# KiCad board CXD-ROUTER-V1.0_PUBLISH.kicad_pcb (continued)
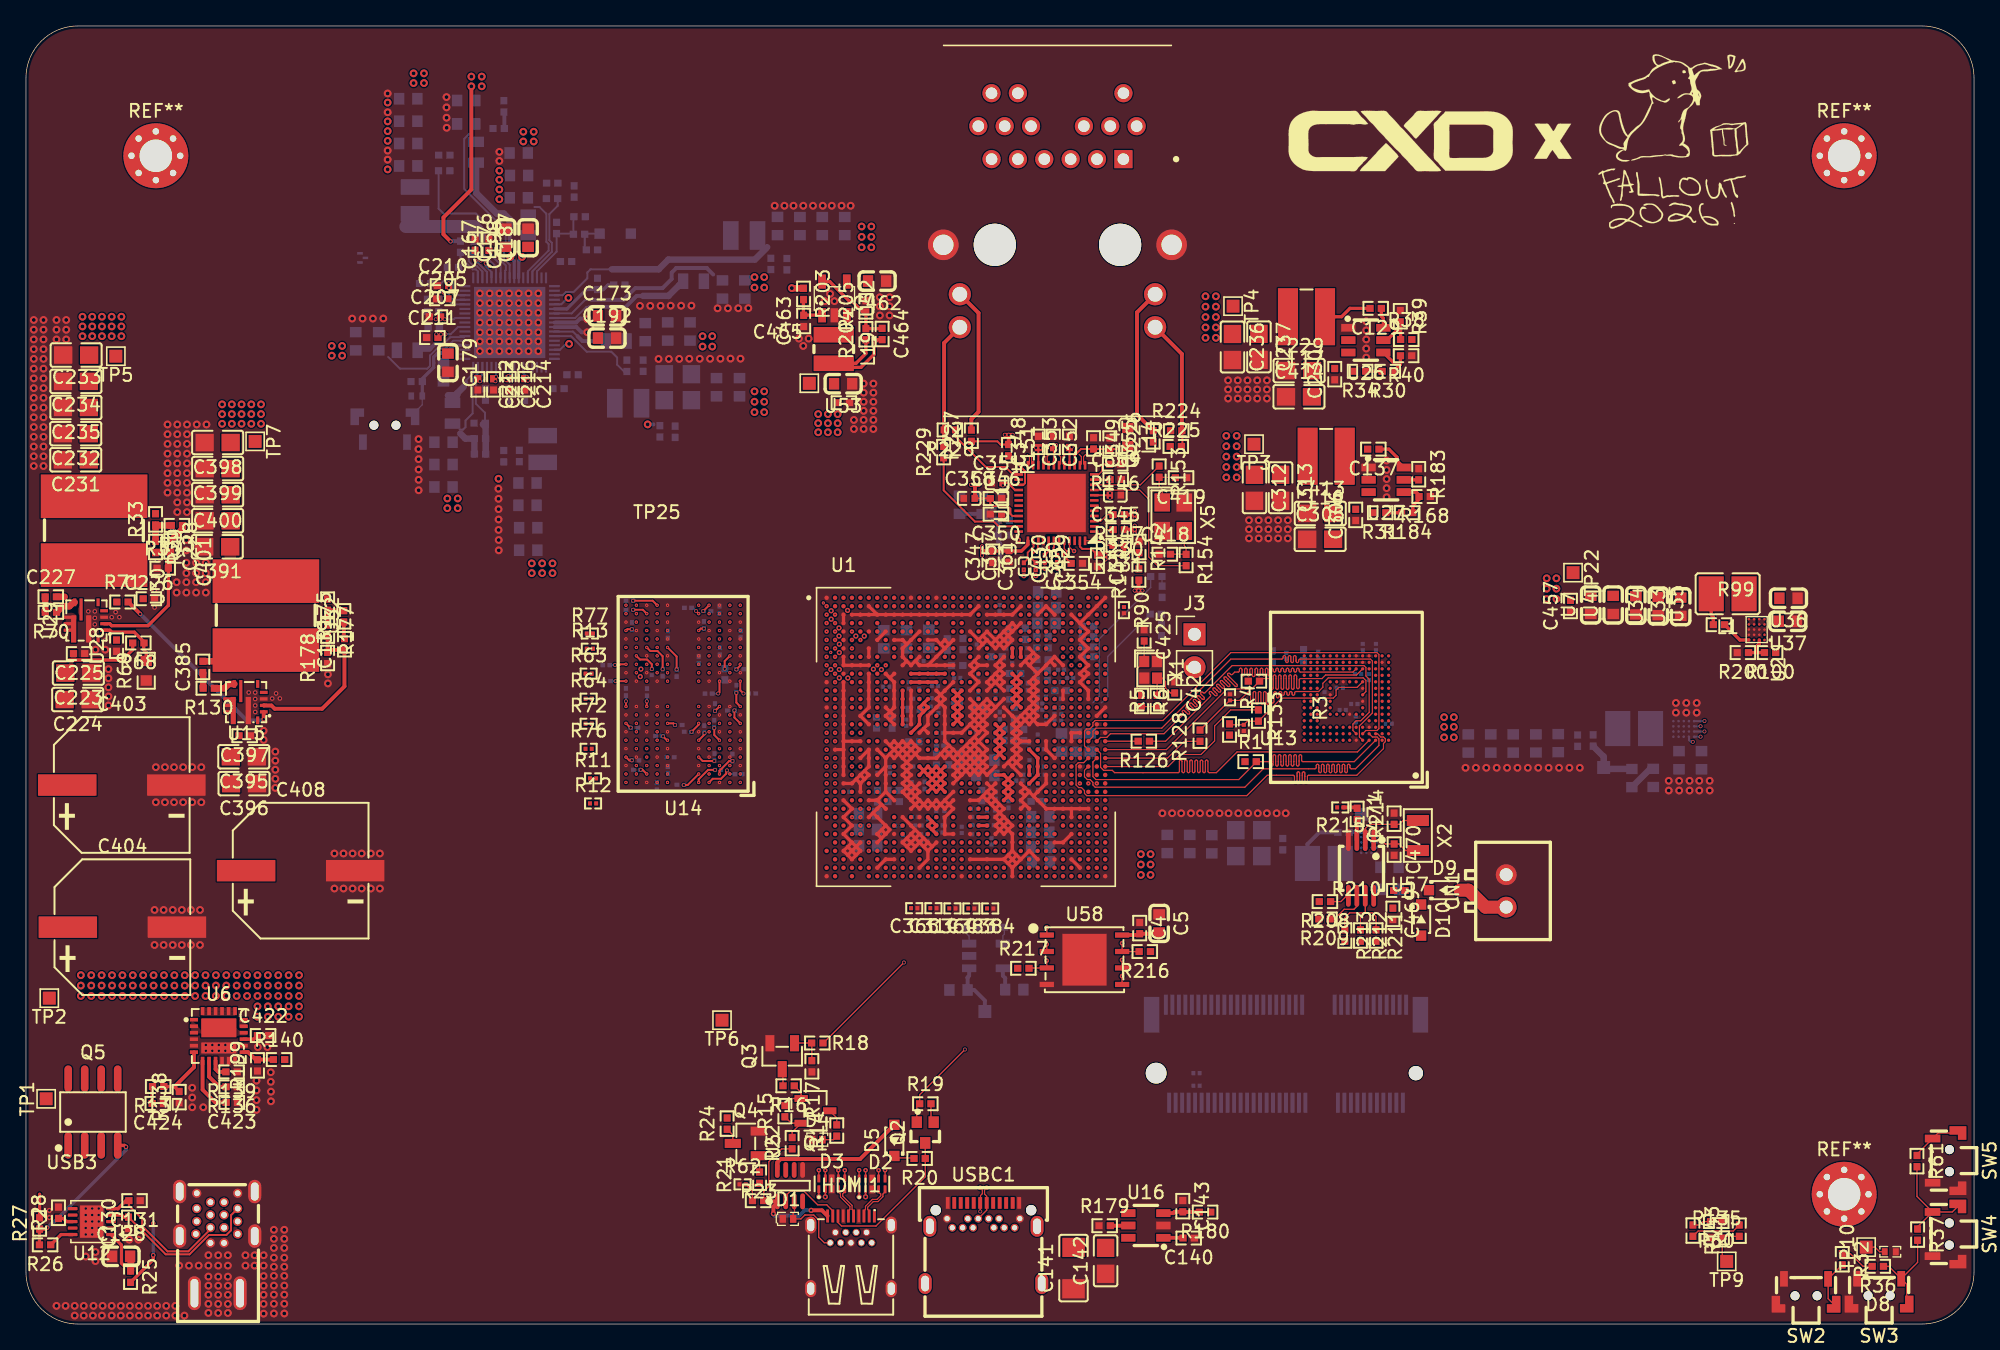
[diagram p0: board, top side]
## Library data of the parts (continued)
CN1 = -: Datasheet: https://www.lcsc.com/datasheet/lcsc_datasheet_2304140030_JST-B2B-XH-2-LF-SN_C158014.pdf; Description: -25℃~+85℃ 1 1x2P 2 2.5mm 250V 2P 3A 6.75mm 7.4mm 7mm Brass Glass-Fiber Reinforced PA66 Through Hole Tin UL94V-0 White XH 插件,P=2.5mm Wire To Board Connector ROHS; LCSC: C158014; Manufacturer: JST; Manufacturer Part: B2B-XH-2(LF)(SN)
CN2 = -: Datasheet: https://wmsc.lcsc.com/wmsc/upload/file/pdf/v2/lcsc/2205131445_TE-Connectivity-2199230-4_C2977809.pdf; Description: -40℃~+80℃ 0.5mm 67P Copper alloy Gold Surface Mount, Right Angle SMD,P=0.5mm,卧贴 Edgeboard Connectors ROHS; LCSC: C2977809; Manufacturer: TE Connectivity; Manufacturer Part: 2199230-4
D1 D4 = -: Datasheet: https://www.lcsc.com/datasheet/lcsc_datasheet_2004131606_WILLSEMI-Will-Semicon-ESD5341N-2-TR_C239773.pdf; Description: -40℃~+85℃ 1 15V 1nA 1pF 4A@8/20us 5V 60W@8/20us 8V IEC 61000-4-2、IEC 61000-4-5、IEC 61000-4-4 TVS Unidirectional DFN1006-2L ESD and Surge Protection (TVS/ESD) ROHS; LCSC: C239773; Manufacturer: WILLSEMI(Will Semicon); Manufacturer Part: ESD5341N-2/TR
D2 D3 = -: Datasheet: https://www.lcsc.com/datasheet/lcsc_datasheet_1810202308_WILLSEMI-Will-Semicon-ESD5304D-10-TR_C153722.pdf; Description: -40℃~+85℃ 0.4pF 12V 1nA 48W@8/20us 4A@8/20us 5V 8V Four channels IEC 61000-4-2、IEC 61000-4-5、IEC 61000-4-4 TVS Unidirectional DFN2510-10L ESD and Surge Protection (TVS/ESD) ROHS; LCSC: C153722; Manufacturer: WILLSEMI(Will Semicon); Manufacturer Part: ESD5304D-10/TR
D5 D6 = -: Datasheet: https://wmsc.lcsc.com/wmsc/upload/file/pdf/v2/lcsc/2308071513_JSMSEMI-B5819WS_C916992.pdf; Description: 1A 1mA@40V 40V 600mV@1A Independent SOD-323 Schottky Diodes ROHS; LCSC: C916992; Manufacturer: JSMSEMI
D7 D8 = -: Datasheet: https://www.lcsc.com/datasheet/lcsc_datasheet_1912111437_WILLSEMI-Will-Semicon-ESD5451N-2-TR_C239604.pdf; Description: 1 10V 17.5pF 1nA 5.1V 5V 8A@8/20us Bidirectional IEC 61000-4-2、IEC 61000-4-5、IEC 61000-4-4 TVS DFN1006-2L ESD and Surge Protection (TVS/ESD) ROHS; LCSC: C239604; Manufacturer: WILLSEMI(Will Semicon); Manufacturer Part: ESD5451N-2/TR
D9 D10 = -: Datasheet: https://wmsc.lcsc.com/wmsc/upload/file/pdf/v2/lcsc/2308071513_JSMSEMI-B5819WS_C916992.pdf; Description: 1A 1mA@40V 40V 600mV@1A Independent SOD-323 Schottky Diodes ROHS; LCSC: C916992; Manufacturer: JSMSEMI; Manufacturer Part: B5819WS
HDMI1 = -: Datasheet: https://wmsc.lcsc.com/wmsc/upload/file/pdf/v2/lcsc/2306121024_HDGC-HDMI-GD-121PWB_C7425334.pdf; Description: -20℃~+85℃ 19P 300mA Female HDMI-D Right Angle Plugin HDMI Connectors ROHS; LCSC: C7425334; Manufacturer: HDGC
J2 = -: Description: 1 Port RJ45 Magjack Connector Through Hole 10G Base-T, AutoMDIX
J3 = -: Description: Generic connector, single row, 01x02, script generated; ki_fp_filters: Connector*:*_1x??_*
L1 L2 L18 = -: Datasheet: https://wmsc.lcsc.com/wmsc/upload/file/pdf/v2/lcsc/2306021632_cjiang--Changjiang-Microelectronics-Tech-FTC322512SR22MBCA_C5832378.pdf; Description: 11.5A 220nH 6.6mΩ 9.2A ±20% 1210 Power Inductors ROHS; LCSC: C5832378; Manufacturer: cjiang (Changjiang Microelectronics Tech); Manufacturer Part: FTC322512SR22MBCA
L3 L5-L7 = -: Datasheet: https://www.lcsc.com/datasheet/lcsc_datasheet_2504151735_COILANK-INTERNATIONAL-APS252012MR22F_C47327420.pdf; Description: 10A 14mΩ 220nH 8.6A ±20% 1008 Power Inductors ROHS; LCSC: C47327420; Manufacturer: COILANK INTERNATIONAL; Manufacturer Part: APS252012MR22F
L4 L8-L12 = -: Datasheet: https://wmsc.lcsc.com/wmsc/upload/file/pdf/v2/lcsc/2309011028_Ceaiya-MTC201208-R47MT_C7588889.pdf; Description: 3.8A 37mΩ 4.8A 470nH Molded Inductor ±20% 0805 Power Inductors ROHS; LCSC: C7588889; Manufacturer: Ceaiya; Manufacturer Part: MTC201208-R47MT
L14 = -: Datasheet: https://www.lcsc.com/datasheet/lcsc_datasheet_2409292303_Murata-Electronics-BLM18PG330SN1D_C88984.pdf; Description: 1 25mΩ 33Ω@100MHz 3A ±25% 0603 Ferrite Beads ROHS; LCSC: C88984; Manufacturer: Murata Electronics; Manufacturer Part: BLM18PG330SN1D
L16 L17 = -: Datasheet: https://www.lcsc.com/datasheet/lcsc_datasheet_2409180941_cjiang--Changjiang-Microelectronics-Tech-FTC404030S3R3MGCA_C39676082.pdf; Description: 3.3uH 35mΩ 5.3A 8.5A ±20% SMD,4.1x4.1mm Power Inductors ROHS; LCSC: C39676082; Manufacturer: cjiang (Changjiang Microelectronics Tech)
L19 = -: Datasheet: https://www.lcsc.com/datasheet/lcsc_datasheet_2409180942_cjiang--Changjiang-Microelectronics-Tech-FTC303020D2R2MBCA_C7423318.pdf; Description: 2.2uH 37mΩ 4.7A 6A ±20% SMD,3x3mm Power Inductors ROHS; LCSC: C7423318; Manufacturer: cjiang (Changjiang Microelectronics Tech); Manufacturer Part: FTC303020D2R2MBCA
L20 = -: Datasheet: https://www.lcsc.com/datasheet/lcsc_datasheet_2304140030_Murata-Electronics-BLM18KG121TN1D_C85831.pdf; Description: 1 120Ω@100MHz 30mΩ 3A ±25% 0603 Ferrite Beads ROHS; LCSC: C85831; Manufacturer: Murata Electronics
Q1 = -: Datasheet: https://www.lcsc.com/datasheet/lcsc_datasheet_1810202308_WILLSEMI-Will-Semicon-WPM3407-3-TR_C167139.pdf; Description: -55℃~+150℃ 1 P-Channel 1.2nF 1.4W 125pF 150pF 23nC@10V 30V 3V 4.4A 66mΩ@4.5V P-Channel SOT-23 MOSFETs ROHS; LCSC: C167139; Manufacturer: WILLSEMI(Will Semicon); Manufacturer Part: WPM3407-3/TR
Q2 = -: Datasheet: https://www.lcsc.com/datasheet/lcsc_datasheet_1811021922_ROHM-Semicon-2SK3018T106_C113315.pdf; Description: -55℃~+150℃ 1 N-channel 1.5V 100mA 13pF 13Ω@2.5V 200mW 30V 4pF 9pF N-Channel SOT-323 MOSFETs ROHS; LCSC: C113315; Manufacturer: ROHM Semicon
Q3 = -: Datasheet: https://wmsc.lcsc.com/wmsc/upload/file/pdf/v2/lcsc/2310121804_JSMSEMI-S8050-J3Y_C18221467.pdf; Description: 1 NPN 100nA 150MHz 25V 300mA 300mW 350 5V 600mV NPN SOT-23 Bipolar (BJT) ROHS; LCSC: C18221467; Manufacturer: JSMSEMI
Q4 = -: Datasheet: https://wmsc.lcsc.com/wmsc/upload/file/pdf/v2/lcsc/2310121804_JSMSEMI-S8050-J3Y_C18221467.pdf; Description: 1 NPN 100nA 150MHz 25V 300mA 300mW 350 5V 600mV NPN SOT-23 Bipolar (BJT) ROHS; LCSC: C18221467; Manufacturer: JSMSEMI; Manufacturer Part: S8050-J3Y
Q5 = -: Datasheet: https://www.lcsc.com/datasheet/lcsc_datasheet_1811021926_Alpha---Omega-Semicon-AO4407A_C16072.pdf; Description: 1 P-Channel 12A 2.6nF 3.1W 30V 38mΩ@5V 39nC@10V 3V P-Channel SOIC-8 MOSFETs ROHS; LCSC: C16072; Manufacturer: Alpha & Omega Semicon
R1-R3 R15 R16 R18 = -: Datasheet: https://www.lcsc.com/datasheet/lcsc_datasheet_1810241334_YAGEO-RC0402JR-0710KL_C60489.pdf; Description: -55℃~+155℃ 10kΩ 50V 62.5mW Thick Film Resistor ±100ppm/℃ ±5% 0402 Chip Resistor - Surface Mount ROHS; LCSC: C60489; Manufacturer: YAGEO; Manufacturer Part: RC0402JR-0710KL
R4 R62 R215 = -: Datasheet: https://www.lcsc.com/datasheet/lcsc_datasheet_2304140030_YAGEO-RC0201FR-0747KL_C138139.pdf; Description: -55℃~+125℃ 25V 47kΩ 50mW Thick Film Resistor ±1% ±200ppm/℃ 0201 Chip Resistor - Surface Mount ROHS; LCSC: C138139; Manufacturer: YAGEO; Manufacturer Part: RC0201FR-0747KL
R5 = -: Datasheet: https://wmsc.lcsc.com/wmsc/upload/file/pdf/v2/lcsc/2304140030_Vishay-Intertech-CRCW040222R0JNED_C482107.pdf; Description: -55℃~+155℃ 22Ω 50V 62.5mW Thick Film Resistor ±200ppm/℃ ±5% 0402 Chip Resistor - Surface Mount ROHS; LCSC: C482107; Manufacturer: Vishay Intertech; Manufacturer Part: CRCW040222R0JNED
R6 = -: Datasheet: https://www.lcsc.com/datasheet/lcsc_datasheet_2304140030_YAGEO-RC0402FR-07510KL_C137961.pdf; Description: -55℃~+155℃ 50V 510kΩ 62.5mW Thick Film Resistor ±1% ±100ppm/℃ 0402 Chip Resistor - Surface Mount ROHS; LCSC: C137961; Manufacturer: YAGEO; Manufacturer Part: RC0402FR-07510KL
R11-R13 R42 R77 = -: Datasheet: https://www.lcsc.com/datasheet/lcsc_datasheet_2304140030_YAGEO-RC0201FR-07240RL_C155745.pdf; Description: -55℃~+125℃ 240Ω 25V 50mW Thick Film Resistor ±1% ±200ppm/℃ 0201 Chip Resistor - Surface Mount ROHS; LCSC: C155745; Manufacturer: YAGEO; Manufacturer Part: RC0201FR-07240RL
R14 = -: Datasheet: https://www.lcsc.com/datasheet/lcsc_datasheet_2304140030_YAGEO-RC0402JR-071KL_C105637.pdf; Description: -55℃~+155℃ 1kΩ 50V 62.5mW Thick Film Resistor ±100ppm/℃ ±5% 0402 Chip Resistor - Surface Mount ROHS; LCSC: C105637; Manufacturer: YAGEO; Manufacturer Part: RC0402JR-071KL
R17 = -: Datasheet: https://www.lcsc.com/datasheet/lcsc_datasheet_2304140030_YAGEO-RC0402JR-0720KL_C137902.pdf; Description: -55℃~+155℃ 20kΩ 50V 62.5mW Thick Film Resistor ±100ppm/℃ ±5% 0402 Chip Resistor - Surface Mount ROHS; LCSC: C137902; Manufacturer: YAGEO; Manufacturer Part: RC0402JR-0720KL
R19 R40 R56 R57 R66 R178 R203 R207 R211 R216 R217 = -: Datasheet: https://www.lcsc.com/datasheet/lcsc_datasheet_2304140030_YAGEO-RC0402FR-0710KL_C60490.pdf; Description: -55℃~+155℃ 10kΩ 50V 62.5mW Thick Film Resistor ±1% ±100ppm/℃ 0402 Chip Resistor - Surface Mount ROHS; LCSC: C60490; Manufacturer: YAGEO; Manufacturer Part: RC0402FR-0710KL
R20 = -: Datasheet: https://www.lcsc.com/datasheet/lcsc_datasheet_2304140030_YAGEO-RC0402JR-0727KL_C137891.pdf; Description: -55℃~+155℃ 27kΩ 50V 62.5mW Thick Film Resistor ±100ppm/℃ ±5% 0402 Chip Resistor - Surface Mount ROHS; LCSC: C137891; Manufacturer: YAGEO; Manufacturer Part: RC0402JR-0727KL
R21 R22 R31 R33 R34 R47 R48 R70 R73 R126 R128 R130 R133 R135 R143 R153 R154 R176 R208-R210 R212 R214 R224 R228 R229 = -: Datasheet: https://www.lcsc.com/datasheet/lcsc_datasheet_2304140030_YAGEO-RC0402JR-070RL_C60485.pdf; Description: -55℃~+155℃ 0Ω 50V 62.5mW Thick Film Resistor ±5% 0402 Chip Resistor - Surface Mount ROHS; LCSC: C60485; Manufacturer: YAGEO; Manufacturer Part: RC0402JR-070RL
R23 R24 R111 R112 = -: Datasheet: https://www.lcsc.com/datasheet/lcsc_datasheet_2304140030_YAGEO-RC0402JR-07100KL_C106234.pdf; Description: -55℃~+155℃ 100kΩ 50V 62.5mW Thick Film Resistor ±100ppm/℃ ±5% 0402 Chip Resistor - Surface Mount ROHS; LCSC: C106234; Manufacturer: YAGEO; Manufacturer Part: RC0402JR-07100KL
R25 = -: Datasheet: https://www.lcsc.com/datasheet/lcsc_datasheet_2304140030_YAGEO-RC0402FR-0710RL_C138066.pdf; Description: -55℃~+155℃ 10Ω 50V 62.5mW Thick Film Resistor ±1% ±200ppm/℃ 0402 Chip Resistor - Surface Mount ROHS; LCSC: C138066; Manufacturer: YAGEO; Manufacturer Part: RC0402FR-0710RL
R26 = -: Datasheet: https://www.lcsc.com/datasheet/lcsc_datasheet_2304140030_YAGEO-RC0402FR-075K1L_C105872.pdf; Description: -55℃~+155℃ 5.1kΩ 50V 62.5mW Thick Film Resistor ±1% ±100ppm/℃ 0402 Chip Resistor - Surface Mount ROHS; LCSC: C105872; Manufacturer: YAGEO; Manufacturer Part: RC0402FR-075K1L
R27 = -: Datasheet: https://www.lcsc.com/datasheet/lcsc_datasheet_2304140030_YAGEO-RC0402FR-0749K9L_C137969.pdf; Description: -55℃~+155℃ 49.9kΩ 50V 62.5mW Thick Film Resistor ±1% ±100ppm/℃ 0402 Chip Resistor - Surface Mount ROHS; LCSC: C137969; Manufacturer: YAGEO; Manufacturer Part: RC0402FR-0749K9L
R28 = -: Datasheet: https://www.lcsc.com/datasheet/lcsc_datasheet_2205312345_UNI-ROYAL-Uniroyal-Elec-0402WGF1402TCE_C54831.pdf; Description: -55℃~+155℃ 14kΩ 50V 62.5mW Thick Film Resistor ±1% ±100ppm/℃ 0402 Chip Resistor - Surface Mount ROHS; LCSC: C54831; Manufacturer: UNI-ROYAL(Uniroyal Elec); Manufacturer Part: 0402WGF1402TCE
R29 = -: Datasheet: https://www.lcsc.com/datasheet/lcsc_datasheet_2304140030_YAGEO-RC0402FR-0768KL_C137947.pdf; Description: -55℃~+155℃ 50V 62.5mW 68kΩ Thick Film Resistor ±1% ±100ppm/℃ 0402 Chip Resistor - Surface Mount ROHS; LCSC: C137947; Manufacturer: YAGEO; Manufacturer Part: RC0402FR-0768KL
R30 R199 = -: Datasheet: https://www.lcsc.com/datasheet/lcsc_datasheet_2304140030_YAGEO-RC0402FR-0733K2L_C130276.pdf; Description: -55℃~+155℃ 33.2kΩ 50V 62.5mW Thick Film Resistor ±1% ±100ppm/℃ 0402 Chip Resistor - Surface Mount ROHS; LCSC: C130276; Manufacturer: YAGEO; Manufacturer Part: RC0402FR-0733K2L
R32 R99 R201 R202 = -: Datasheet: https://www.lcsc.com/datasheet/lcsc_datasheet_2304140030_YAGEO-RC0402FR-07100RL_C106232.pdf; Description: -55℃~+155℃ 100Ω 50V 62.5mW Thick Film Resistor ±1% ±100ppm/℃ 0402 Chip Resistor - Surface Mount ROHS; LCSC: C106232; Manufacturer: YAGEO; Manufacturer Part: RC0402FR-07100RL
R35 R61 = -: Datasheet: https://www.lcsc.com/datasheet/lcsc_datasheet_2304140030_YAGEO-RC0402FR-0712KL_C114760.pdf; Description: -55℃~+155℃ 12kΩ 50V 62.5mW Thick Film Resistor ±1% ±100ppm/℃ 0402 Chip Resistor - Surface Mount ROHS; LCSC: C114760; Manufacturer: YAGEO; Manufacturer Part: RC0402FR-0712KL
R36 = -: Datasheet: https://www.lcsc.com/datasheet/lcsc_datasheet_2304140030_YAGEO-RC0402FR-073KL_C137987.pdf; Description: -55℃~+155℃ 3kΩ 50V 62.5mW Thick Film Resistor ±1% ±100ppm/℃ 0402 Chip Resistor - Surface Mount ROHS; LCSC: C137987; Manufacturer: YAGEO; Manufacturer Part: RC0402FR-073KL
R37 = -: Datasheet: https://wmsc.lcsc.com/wmsc/upload/file/pdf/v2/lcsc/2304140030_YAGEO-RC0402FR-076K8L_C93940.pdf; Description: -55℃~+155℃ 50V 6.8kΩ 62.5mW Thick Film Resistor ±1% ±100ppm/℃ 0402 Chip Resistor - Surface Mount ROHS; LCSC: C93940; Manufacturer: YAGEO; Manufacturer Part: RC0402FR-076K8L
R38 = -: Datasheet: https://wmsc.lcsc.com/wmsc/upload/file/pdf/v2/lcsc/2202020900_YAGEO-AF0402FR-07511KL_C2100703.pdf; Description: -55℃~+155℃ 50V 511kΩ 62.5mW Thick Film Resistor ±1% ±100ppm/℃ 0402 Chip Resistor - Surface Mount ROHS; LCSC: C2100703; Manufacturer: YAGEO; Manufacturer Part: AF0402FR-07511KL
R39 = -: Datasheet: https://wmsc.lcsc.com/wmsc/upload/file/pdf/v2/lcsc/2208051700_Viking-Tech-ARG02BTC1053_C2984407.pdf; Description: -55℃~+155℃ 105kΩ 50V 62.5mW Thin Film Resistor ±0.1% ±25ppm/℃ 0402 Chip Resistor - Surface Mount ROHS; LCSC: C2984407; Manufacturer: Viking Tech; Manufacturer Part: ARG02BTC1053
R41 R43-R46 R49 R51 R55 R58-R60 R71 R100 R140 R168 R180 R183 R204 = -: Datasheet: https://www.lcsc.com/datasheet/lcsc_datasheet_2304140030_YAGEO-RC0402FR-07100KL_C60491.pdf; Description: -55℃~+155℃ 100kΩ 50V 62.5mW Thick Film Resistor ±1% ±100ppm/℃ 0402 Chip Resistor - Surface Mount ROHS; LCSC: C60491; Manufacturer: YAGEO; Manufacturer Part: RC0402FR-07100KL
R50 R175 = -: Datasheet: https://wmsc.lcsc.com/wmsc/upload/file/pdf/v2/lcsc/2304140030_YAGEO-RC0402FR-0720KL_C93942.pdf; Description: -55℃~+155℃ 20kΩ 50V 62.5mW Thick Film Resistor ±1% ±100ppm/℃ 0402 Chip Resistor - Surface Mount ROHS; LCSC: C93942; Manufacturer: YAGEO; Manufacturer Part: RC0402FR-0720KL
R52 R113 R114 R138 R200 R205 = -: Datasheet: https://www.lcsc.com/datasheet/lcsc_datasheet_2304140030_YAGEO-RC0402FR-07120KL_C93945.pdf; Description: -55℃~+155℃ 120kΩ 50V 62.5mW Thick Film Resistor ±1% ±100ppm/℃ 0402 Chip Resistor - Surface Mount ROHS; LCSC: C93945; Manufacturer: YAGEO; Manufacturer Part: RC0402FR-07120KL
R53 R54 = -: Datasheet: https://wmsc.lcsc.com/wmsc/upload/file/pdf/v2/lcsc/2304140030_YAGEO-RT0402BRD07200KL_C728556.pdf; Description: -55℃~+155℃ 200kΩ 50V 62.5mW Thin Film Resistor ±0.1% ±25ppm/℃ 0402 Chip Resistor - Surface Mount ROHS; LCSC: C728556; Manufacturer: YAGEO; Manufacturer Part: RT0402BRD07200KL
R63 R64 R72 R76 = -: Datasheet: https://www.lcsc.com/datasheet/lcsc_datasheet_2304140030_YAGEO-RC0201FR-0749R9L_C155744.pdf; Description: -55℃~+125℃ 25V 49.9Ω 50mW Thick Film Resistor ±1% ±200ppm/℃ 0201 Chip Resistor - Surface Mount ROHS; LCSC: C155744; Manufacturer: YAGEO; Manufacturer Part: RC0201FR-0749R9L
R68 = -: Datasheet: https://wmsc.lcsc.com/wmsc/upload/file/pdf/v2/lcsc/2202151130_FOJAN-FRC0402F1693TS_C2974012.pdf; Description: -55℃~+155℃ 169kΩ 50V 62.5mW Thick Film Resistor ±1% ±100ppm/℃ 0402 Chip Resistor - Surface Mount ROHS; LCSC: C2974012; Manufacturer: FOJAN; Manufacturer Part: FRC0402F1693TS
R69 = -: Datasheet: https://www.lcsc.com/datasheet/lcsc_datasheet_2210190000_YAGEO-RT0603BRD0736K1L_C861351.pdf; Description: -55℃~+155℃ 100mW 36.1kΩ 75V Thin Film Resistor ±0.1% ±25ppm/℃ 0603 Chip Resistor - Surface Mount ROHS; LCSC: C861351; Manufacturer: YAGEO; Manufacturer Part: RT0603BRD0736K1L
R90 = -: Datasheet: https://www.lcsc.com/datasheet/lcsc_datasheet_2304140030_YAGEO-RC0201FR-07200KL_C138163.pdf; Description: -55℃~+125℃ 200kΩ 25V 50mW Thick Film Resistor ±1% ±200ppm/℃ 0201 Chip Resistor - Surface Mount ROHS; LCSC: C138163; Manufacturer: YAGEO; Manufacturer Part: RC0201FR-07200KL
R101-R104 = -: Datasheet: https://www.lcsc.com/datasheet/lcsc_datasheet_2304140030_YAGEO-RC0402FR-072K2L_C114762.pdf; Description: -55℃~+155℃ 2.2kΩ 50V 62.5mW Thick Film Resistor ±1% ±100ppm/℃ 0402 Chip Resistor - Surface Mount ROHS; LCSC: C114762; Manufacturer: YAGEO; Manufacturer Part: RC0402FR-072K2L
R136 = -: Datasheet: https://www.lcsc.com/datasheet/lcsc_datasheet_2304140030_YAGEO-RC0402FR-07300RL_C138010.pdf; Description: -55℃~+155℃ 300Ω 50V 62.5mW Thick Film Resistor ±1% ±100ppm/℃ 0402 Chip Resistor - Surface Mount ROHS; LCSC: C138010; Manufacturer: YAGEO; Manufacturer Part: RC0402FR-07300RL
R137 = -: Datasheet: https://www.lcsc.com/datasheet/lcsc_datasheet_2304140030_YAGEO-RC0402FR-071ML_C138033.pdf; Description: -55℃~+155℃ 1MΩ 50V 62.5mW Thick Film Resistor ±1% ±100ppm/℃ 0402 Chip Resistor - Surface Mount ROHS; LCSC: C138033; Manufacturer: YAGEO; Manufacturer Part: RC0402FR-071ML
R139 R141 = -: Datasheet: https://www.lcsc.com/datasheet/lcsc_datasheet_2304140030_YAGEO-RC0402FR-071KL_C106235.pdf; Description: -55℃~+155℃ 1kΩ 50V 62.5mW Thick Film Resistor ±1% ±100ppm/℃ 0402 Chip Resistor - Surface Mount ROHS; LCSC: C106235; Manufacturer: YAGEO; Manufacturer Part: RC0402FR-071KL
R142 = -: Datasheet: https://www.lcsc.com/datasheet/lcsc_datasheet_2304140030_YAGEO-RC0402FR-0715KL_C114761.pdf; Description: -55℃~+155℃ 15kΩ 50V 62.5mW Thick Film Resistor ±1% ±100ppm/℃ 0402 Chip Resistor - Surface Mount ROHS; LCSC: C114761; Manufacturer: YAGEO; Manufacturer Part: RC0402FR-0715KL
R146 = -: Datasheet: https://www.lcsc.com/datasheet/lcsc_datasheet_2304140030_YAGEO-RC0402FR-072K49L_C145071.pdf; Description: -55℃~+155℃ 2.49kΩ 50V 62.5mW Thick Film Resistor ±1% ±100ppm/℃ 0402 Chip Resistor - Surface Mount ROHS; LCSC: C145071; Manufacturer: YAGEO; Manufacturer Part: RC0402FR-072K49L
R147 R151 R206 R230 R231 = -: Datasheet: https://www.lcsc.com/datasheet/lcsc_datasheet_2304140030_YAGEO-RC0402FR-074K7L_C105871.pdf; Description: -55℃~+155℃ 4.7kΩ 50V 62.5mW Thick Film Resistor ±1% ±100ppm/℃ 0402 Chip Resistor - Surface Mount ROHS; LCSC: C105871; Manufacturer: YAGEO; Manufacturer Part: RC0402FR-074K7L
R177 = -: Datasheet: https://wmsc.lcsc.com/wmsc/upload/file/pdf/v2/lcsc/2206171645_YAGEO-RT0402BRD0745K3L_C852795.pdf; Description: -55℃~+155℃ 45.3kΩ 50V 63mW Thin Film Resistor ±0.1% ±25ppm/℃ 0402 Chip Resistor - Surface Mount ROHS; LCSC: C852795; Manufacturer: YAGEO; Manufacturer Part: RT0402BRD0745K3L
R179 = -: Datasheet: https://wmsc.lcsc.com/wmsc/upload/file/pdf/v2/lcsc/2210190430_YAGEO-AT0402BRD0726K1L_C850915.pdf; Description: -55℃~+155℃ 26.1kΩ 50V 62.5mW Thin Film Resistor ±0.1% ±25ppm/℃ 0402 Chip Resistor - Surface Mount ROHS; LCSC: C850915; Manufacturer: YAGEO; Manufacturer Part: AT0402BRD0726K1L
R184 = -: Datasheet: https://www.lcsc.com/datasheet/lcsc_datasheet_2210190401_YAGEO-RT0402BRD0723K7L_C852656.pdf; Description: -55℃~+155℃ 23.7kΩ 50V 62.5mW Thin Film Resistor ±0.1% ±25ppm/℃ 0402 Chip Resistor - Surface Mount ROHS; LCSC: C852656; Manufacturer: YAGEO; Manufacturer Part: RT0402BRD0723K7L
R213 = -: Datasheet: https://www.lcsc.com/datasheet/lcsc_datasheet_2304140030_YAGEO-RC0402JR-0722RL_C93929.pdf; Description: -55℃~+155℃ 22Ω 50V 62.5mW Thick Film Resistor ±100ppm/℃ ±5% 0402 Chip Resistor - Surface Mount ROHS; LCSC: C93929; Manufacturer: YAGEO; Manufacturer Part: RC0402JR-0722RL
R225 R226 = -: Datasheet: https://wmsc.lcsc.com/wmsc/upload/file/pdf/v2/lcsc/2304140030_Vishay-Intertech-CRCW0402249RFKED_C482112.pdf; Description: -55℃~+155℃ 249Ω 50V 62.5mW Thick Film Resistor ±1% ±100ppm/℃ 0402 Chip Resistor - Surface Mount ROHS; LCSC: C482112; Manufacturer: Vishay Intertech; Manufacturer Part: CRCW0402249RFKED
R227 = -: Datasheet: https://www.lcsc.com/datasheet/lcsc_datasheet_2304140030_YAGEO-RC0402FR-07510RL_C276273.pdf; Description: -55℃~+155℃ 50V 510Ω 62.5mW Thick Film Resistor ±1% ±100ppm/℃ 0402 Chip Resistor - Surface Mount ROHS; LCSC: C276273; Manufacturer: YAGEO; Manufacturer Part: RC0402FR-07510RL
REF** REF**#2 REF**#3 = -: KiLib_Generator: mounting_hardware/mounting_hole
SW1-SW5 = -: Datasheet: https://www.lcsc.com/datasheet/lcsc_datasheet_2404241539_SHOU-HAN-TS24CA_C393942.pdf; Description: -20℃~+70℃ 1.6N 1.9mm 12V 20,000 cycles 3.5mm 4.7mm 50mA Black No Rectangular Button SMD(SMT) Tab SPST Surface Mount, Right Angle Without Bracket SMD,4.6x1.8mm Tactile Switches ROHS; LCSC: C393942; Manufacturer: SHOU HAN
TP1-TP7 TP9 TP10 TP22-TP26 = -: Description: test point; ki_fp_filters: Pin* Test*
U1 = -: Description: low power, high performance processor; MF: Fuzhou Rockchip Electronics Co; MAXIMUM_PACKAGE_HEIGHT: 2.043 mm; Package: None; Price: None; Check_prices: https://www.snapeda.com/parts/RK3588/Fuzhou+Rockchip+Electronics+Co/view-part/?ref=eda; STANDARD: Manufacturer Recommendations; PARTREV: 1.0; SnapEDA_Link: https://www.snapeda.com/parts/RK3588/Fuzhou+Rockchip+Electronics+Co/view-part/?ref=snap; Availability: Not in stock; MANUFACTURER: Rockchip
U2 U40 = -: Datasheet: https://wmsc.lcsc.com/wmsc/upload/file/pdf/v2/lcsc/2401261533_Rockchip-RK860-2_C5156489.pdf; Description: -40℃~+125℃@(TJ) 1 2.4MHz 2.7V~5.5V 500mV~1.5V 70uA 7A Buck Buck Built-in Yes WLCSP-20 DC-DC Converters ROHS; LCSC: C5156489; Manufacturer: Rockchip
U5 = -: Datasheet: https://www.lcsc.com/datasheet/lcsc_datasheet_2202251530_Jiangsu-RUNIC-Tech-RS0102YH8_C783414.pdf; Description: -40℃~+85℃ 1 1.65V~5.5V 2 2.3V~5.5V 24Mbps Bidirectional Push-Pull、Open-drain SOT-23-8 Translators, Level Shifters ROHS; LCSC: C783414; Manufacturer: Jiangsu RUNIC Tech
U6 = -: Datasheet: https://wmsc.lcsc.com/wmsc/upload/file/pdf/v2/lcsc/2302282300_Texas-Instruments-TPS259804ONRGER_C2878936.pdf; Description: -40℃~+125℃ 1 1mm 2.7V~24V 3mΩ 4mm 4mm Integrated FET Surface Mount VQFN-24-EP(4x4) Surge Protection Devices (SPDs) ROHS; LCSC: C2878936; Manufacturer: Texas Instruments
U11 = -: Datasheet: https://atta.szlcsc.com/upload/public/pdf/source/20210703/0C17244E6BF61756EECFACCF31EC2035.pdf; Description: 0℃~+70℃ 950mV、3.3V QFN-48-EP(6x6) Ethernet Transceivers ROHS; LCSC: C3013605; Manufacturer: Realtek Semicon
U12 = -: Datasheet: https://cdn-learn.adafruit.com/assets/assets/000/125/150/original/husb238_datasheet_full.pdf; Description: USB-PD Sink IC Port Controller, VBUS = 3..25V, USB Type-C rev. 1.4, USB-PD rev. 3.0, BC1.2, WDFN-10 / WSON-10; ki_fp_filters: *3x3mm?P0.5mm?EP1.8*x2.5*mm*
U13 = -: Datasheet: https://wmsc.lcsc.com/wmsc/upload/file/pdf/v2/lcsc/2202131900_Samsung-KLMBG2JETD-B041_C2803245.pdf; Description: -25℃~+85℃ 1.7V~1.95V、2.7V~3.6V 100MB/S 2.7V~3.6V 32GB 330MB/S eMMC 5.1 FBGA-153 eMMC ROHS; LCSC: C2803245; Manufacturer: Samsung
U14 = -: Datasheet: https://wmsc.lcsc.com/wmsc/upload/file/pdf/v2/lcsc/2207151030_SK-HYNIX-H9HCNNN8KUMLHR-NME_C2912103.pdf; Description: -25℃~+85℃ 1.06V~1.17V、1.7V~1.95V 23mA 3.733GHz 370uA 8Gbit LPDDR4 SDRAM BGA-200(10x15) DDR SDRAM ROHS; LCSC: C2912103; Manufacturer: SK HYNIX
U15 = -: Datasheet: https://www.ti.com/cn/lit/gpn/tps56637; Description: -40℃~+150℃@(TJ) 1 140uA 4.5V~28V 500kHz 600mV~13V 6A Adjustable Buck Buck Built-in Yes VQFN-10-HR(3x3) DC-DC Converters ROHS; LCSC: C841386; Manufacturer: Texas Instruments
U16 = -: Datasheet: https://www.lcsc.com/datasheet/lcsc_datasheet_1810221710_Texas-Instruments-TPS2553DBVR_C55266.pdf; Description: -40℃~+150℃ 1 1.5A 2.5V~6.5V 85mΩ Active High High Side Switch 过压保护、软启动、欠压锁定、反向电压保护、集成电荷泵、Overcurrent Protection、Over temperature protection、锁存保护、Short-Circuit  Protection SOT-23-6 Power Distribution Switches ROHS; LCSC: C55266; Manufacturer: Texas Instruments
U19 = -: Datasheet: https://www.lcsc.com/datasheet/lcsc_datasheet_2004212007_SEMTECH-RCLAMP0512TQTCT_C512369.pdf; Description: -40℃~+125℃ 100nA 170W 2 3pF 5V 6.5V 8.5V ESD IEC 61000-4-2、IEC 61000-4-5、IEC 61000-4-4 SMD-3P,1x0.6mm ESD and Surge Protection (TVS/ESD) ROHS; LCSC: C512369; Manufacturer: SEMTECH
U26 U27 = -: Datasheet: https://www.lcsc.com/datasheet/lcsc_datasheet_2304241919_Texas-Instruments-TPS563201DDCR_C116592.pdf; Description: -40℃~+125℃@(TJ) 1 3A 4.5V~17V 580kHz 768mV~7V Adjustable Buck Buck Built-in Yes SOT-23-THIN-6 DC-DC Converters ROHS; LCSC: C116592; Manufacturer: Texas Instruments
U28 = -: Datasheet: https://wmsc.lcsc.com/wmsc/upload/file/pdf/v2/lcsc/2204130915_YAGEO-RT0402BRD0752K3L_C852832.pdf; Description: -55℃~+155℃ 50V 52.3kΩ 62.5mW Thin Film Resistor ±0.1% ±25ppm/℃ 0402 Chip Resistor - Surface Mount ROHS; LCSC: C852832; Manufacturer: YAGEO; Manufacturer Part: RT0402BRD0752K3L
U29 = -: Datasheet: https://wmsc.lcsc.com/wmsc/upload/file/pdf/v2/lcsc/2406211026_Texas-Instruments-TPS56A37RPAR_C22392669.pdf; Description: -40℃~+150℃@(TJ) 1 10A 4.5V~28V 45uA 500kHz 600mV~13V Adjustable Buck Buck Built-in VQFN-HR-10(3x3) DC-DC Converters ROHS; LCSC: C22392669; Manufacturer: Texas Instruments
U30 U32 = -: Datasheet: https://wmsc.lcsc.com/wmsc/upload/file/pdf/v2/lcsc/2404091528_cjiang--Changjiang-Microelectronics-Tech-FEXL0730A-3R3M_C5378561.pdf; Description: 10A 15A 18mΩ 3.3uH AEC-Q200 ±20% SMD,7.8x7.6mm Power Inductors ROHS; LCSC: C5378561; Manufacturer: cjiang (Changjiang Microelectronics Tech)
U46 = -: Datasheet: https://www.lcsc.com/datasheet/lcsc_datasheet_2208051800_SGMICRO-SGM2576YN5G-TR_C699888.pdf; Description: -40℃~+85℃ 1 100mΩ 2.5A 2.5V~5.5V Active High Load Switch Undervoltage Protection(UVP)、Overcurrent Protection(OCP)、Over Temperature Protection SOT-23-5 Power Distribution Switches ROHS; LCSC: C699888; Manufacturer: SGMICRO; Manufacturer Part: SGM2576YN5G/TR